# KiCad board k30p-VME.kicad_pcb (continued)
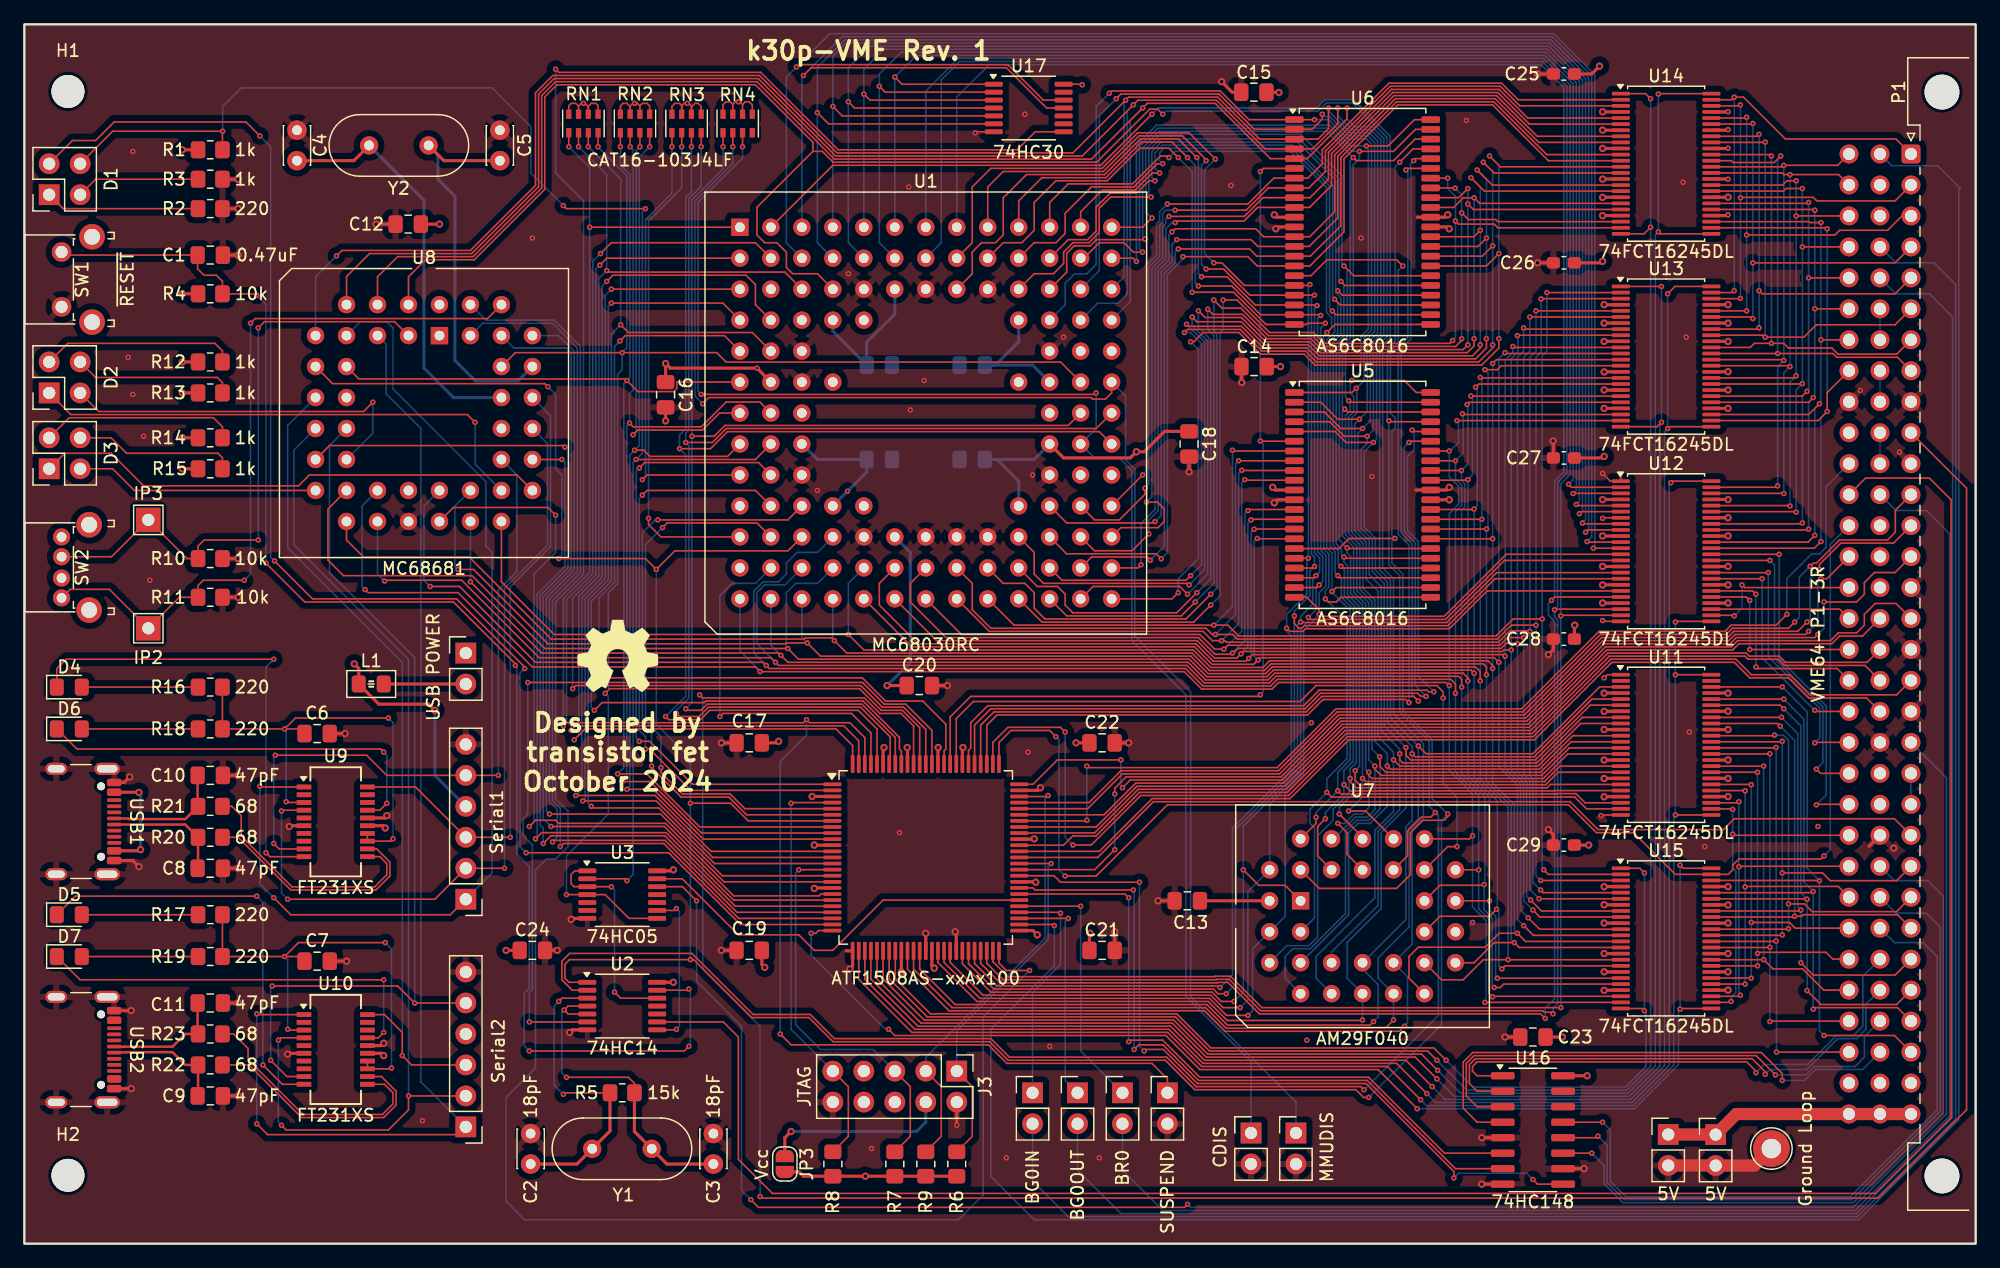
[diagram p0: board, top side]
## Footprints (pads in the part's own frame, mm; a bottom-side part is the same pattern mirrored in y, then rotated) (continued)
TSSOP-48_6.1x12.5mm_P0.5mm
  rrect 1.475x0.3 smd: 1(-3.712,5.75) 2(-3.712,5.25) 3(-3.712,4.75) 4(-3.712,4.25) 5(-3.712,3.75) 6(-3.712,3.25) 7(-3.712,2.75) 8(-3.712,2.25) 9(-3.712,1.75) 10(-3.712,1.25) 11(-3.712,0.75) 12(-3.712,0.25) 13(-3.712,-0.25) 14(-3.712,-0.75) 15(-3.712,-1.25) 16(-3.712,-1.75) 17(-3.712,-2.25) 18(-3.712,-2.75) 19(-3.712,-3.25) 20(-3.712,-3.75) 21(-3.712,-4.25) 22(-3.712,-4.75) 23(-3.712,-5.25) 24(-3.712,-5.75) 25(3.712,-5.75) 26(3.712,-5.25) 27(3.712,-4.75) 28(3.712,-4.25) 29(3.712,-3.75) 30(3.712,-3.25) 31(3.712,-2.75) 32(3.712,-2.25) 33(3.712,-1.75) 34(3.712,-1.25) 35(3.712,-0.75) 36(3.712,-0.25) 37(3.712,0.25) 38(3.712,0.75) 39(3.712,1.25) 40(3.712,1.75) 41(3.712,2.25) 42(3.712,2.75) 43(3.712,3.25) 44(3.712,3.75) 45(3.712,4.25) 46(3.712,4.75) 47(3.712,5.25) 48(3.712,5.75)
USB_C_Receptacle_GCT_USB4105-xx-A_16P_TopMnt_Horizontal
  round 0.65 hole 0.65 unplated: (-2.89,2.605) (2.89,2.605)
  rrect 0.6x1.15 smd: A1(-3.2,3.68) A4(-2.4,3.68) A9(2.4,3.68) A12(3.2,3.68) B1(3.2,3.68) B4(2.4,3.68) B9(-2.4,3.68) B12(-3.2,3.68)
  rrect 0.3x1.15 smd: A5(-1.25,3.68) A6(-0.25,3.68) A7(0.25,3.68) A8(1.25,3.68) B5(1.75,3.68) B6(0.75,3.68) B7(-0.75,3.68) B8(-1.75,3.68)
  oval 1x2.1 hole 0.6x1.7: S1(-4.32,3.105) S1(4.32,3.105)
  oval 1x1.8 hole 0.6x1.4: S1(-4.32,-1.075) S1(4.32,-1.075)

## Nets
+5V: C12.1 C13.1 C14.1 C15.1 C16.1 C17.1 C18.1 C19.1 C20.1 C21.1 C22.1 C23.1 C24.1 C25.1 C26.1 C27.1 C28.1 C29.1 C30.1 C31.1 C32.1 C33.1 J1.1 J2.1 JP3.2 JP4.1 P1.a32 P1.b32 P1.c32 R1.2 R4.1 R6.1 R7.1 R8.1 R9.1 R12.2 R13.2 R14.2 R15.2 RN1.5 RN1.6 RN1.7 RN1.8 RN2.5 RN2.6 RN2.7 RN2.8 RN3.5 RN3.6 RN3.7 RN3.8 RN4.5 RN4.6 RN4.7 RN4.8 SW2.2 SW2.4 U1.C6 U1.D4 U1.D10 U1.F2 U1.F11 U1.H3 U1.H11 U1.K4 U1.K10 U1.L6 U2.14 U3.14 U4.3 U4.18 U4.34 U4.39 U4.51 U4.66 U4.82 U4.91 U5.11 U5.33 U6.11 U6.33 U7.32 U8.44 U9.15 U10.15 U11.7 U11.18 U11.31 U11.42 U12.7 U12.18 U12.31 U12.42 U13.7 U13.18 U13.31 U13.42 U14.7 U14.18 U14.31 U14.42 U15.7 U15.18 U15.31 U15.42 U16.16 U17.14
GND: C1.2 C2.2 C3.2 C4.1 C5.1 C6.2 C7.2 C8.2 C9.2 C10.2 C11.2 C12.2 C13.2 C14.2 C15.2 C16.2 C17.2 C18.2 C19.2 C20.2 C21.2 C22.2 C23.2 C24.2 C25.2 C26.2 C27.2 C28.2 C29.2 C30.2 C31.2 C32.2 C33.2 J1.2 J2.2 J3.2 J3.10 J4.6 J5.6 JP1.2 JP2.2 JP8.2 P1.a9 P1.a11 P1.a15 P1.a17 P1.a19 P1.b20 P1.b23 P1.c9 R2.1 R3.1 R10.2 R11.2 SW1.1 TP1.1 U1.C5 U1.C7 U1.C9 U1.E3 U1.E11 U1.F3 U1.G3 U1.G11 U1.J3 U1.J11 U1.L5 U1.L7 U1.L8 U1.L9 U2.7 U3.7 U4.11 U4.26 U4.38 U4.43 U4.59 U4.74 U4.86 U4.95 U5.12 U5.34 U6.12 U6.34 U7.16 U8.22 U9.6 U9.16 U10.6 U10.16 U11.1 U11.4 U11.10 U11.15 U11.21 U11.24 U11.28 U11.34 U11.39 U11.45 U12.1 U12.4 U12.10 U12.15 U12.21 U12.24 U12.28 U12.34 U12.39 U12.45 U13.4 U13.10 U13.15 U13.21 U13.28 U13.34 U13.39 U13.45 U14.4 U14.10 U14.15 U14.21 U14.28 U14.34 U14.39 U14.45 U15.4 U15.10 U15.15 U15.21 U15.28 U15.34 U15.39 U15.45 U16.5 U16.8 U16.10 U17.7 USB1.A1 USB1.A12 USB1.B1 USB1.B12 USB1.S1 USB2.A1 USB2.A12 USB2.B1 USB2.B12 USB2.S1
CPU_CLK: U1.E1 U4.85
D16X_DIR: U4.30 U13.1 U13.24
DL_DIR: U4.32 U14.1 U14.24
FC0: U1.D2 U4.12
FC1: U1.C1 U4.13
FC2: U1.D1 U4.14
IP4: U4.22 U8.43
IP5: U4.23 U8.42
LA0: U1.A2 U4.35 U7.12
LA1: U1.C4 U4.36 U7.11 U8.2 U11.3
LA2: U1.D13 U4.37 U5.5 U6.5 U7.10 U8.4 U11.5
LA3: U1.D12 U4.40 U5.4 U6.4 U7.9 U8.6 U11.6
LA4: U1.C13 U5.3 U6.3 U7.8 U8.7 U11.8
LA5: U1.C12 U5.2 U6.2 U7.7 U11.9
LA6: U1.D11 U5.1 U6.1 U7.6 U11.11
LA7: U1.B13 U5.44 U6.44 U7.5 U11.12
LA8: U1.B12 U5.43 U6.43 U7.27 U11.13
LA9: U1.C11 U5.42 U6.42 U7.26 U11.14
LA10: U1.A13 U5.28 U6.28 U7.23 U11.16
LA11: U1.C10 U5.27 U6.27 U7.25 U11.17
LA12: U1.B11 U5.26 U6.26 U7.4 U11.19
LA13: U1.A12 U5.25 U6.25 U7.28 U11.20
LA14: U1.B10 U5.24 U6.24 U7.29 U11.22
LA15: U1.A11 U5.23 U6.23 U7.3 U11.23
LA16: U1.B9 U4.41 U5.22 U6.22 U7.2 U12.13
LA17: U1.A10 U4.42 U5.21 U6.21 U7.30 U12.14
LA18: U1.C8 U4.44 U5.20 U6.20 U7.1 U12.16
LA19: U1.A9 U4.45 U5.19 U6.19 U12.17
LA20: U1.B8 U4.46 U5.18 U6.18 U12.19
LA21: U1.A8 U4.47 U12.20
LA22: U1.B7 U4.48 U12.22
LA23: U1.A7 U4.49 U12.23
LA24: U1.A6 U12.2 U17.1
LA25: U1.B6 U12.3 U17.2
LA26: U1.A5 U12.5 U17.3
LA27: U1.B5 U12.6 U17.4
LA28: U1.A4 U12.8 U17.5
LA29: U1.B4 U12.9 U17.6
LA30: U1.A3 U12.11 U17.11
LA31: U1.B3 U12.12 U17.12
LD0: U1.K13 U6.7 U14.2
LD1: U1.K12 U6.8 U14.3
LD2: U1.L13 U6.9 U14.5
LD3: U1.M13 U6.10 U14.6
LD4: U1.L12 U6.13 U14.8
LD5: U1.K11 U6.14 U14.9
LD6: U1.M12 U6.15 U14.11
LD7: U1.L11 U6.16 U14.12
LD8: U1.N13 U6.29 U14.13
LD9: U1.M11 U6.30 U14.14
LD10: U1.L10 U6.31 U14.16
LD11: U1.N12 U6.32 U14.17
LD12: U1.M10 U6.35 U14.19
LD13: U1.N11 U6.36 U14.20
LD14: U1.M9 U6.37 U14.22
LD15: U1.N10 U6.38 U14.23
LD16: U1.N9 U5.7 U13.2 U15.2
LD17: U1.M8 U5.8 U13.3 U15.3
LD18: U1.N8 U5.9 U13.5 U15.5
LD19: U1.N7 U5.10 U13.6 U15.6
LD20: U1.M7 U5.13 U13.8 U15.8
LD21: U1.N6 U5.14 U13.9 U15.9
LD22: U1.M6 U5.15 U13.11 U15.11
LD23: U1.N5 U5.16 U13.12 U15.12
LD24: U1.M5 U5.29 U7.13 U8.28 U13.13 U15.13
LD25: U1.N4 U5.30 U7.14 U8.18 U13.14 U15.14
LD26: U1.N3 U5.31 U7.15 U8.27 U13.16 U15.16
LD27: U1.M4 U5.32 U7.17 U8.19 U13.17 U15.17
LD28: U1.N2 U5.35 U7.18 U8.26 U13.19 U15.19
LD29: U1.M3 U5.36 U7.19 U8.20 U13.20 U15.20
LD30: U1.L4 U5.37 U7.20 U8.25 U13.22 U15.22
LD31: U1.N1 U5.38 U7.21 U8.21 U13.23 U15.23
MAIN_CLK: U2.6 U4.87
MD32X_DIR: U4.33 U15.1 U15.24
OP2: U4.20 U8.31
OP3: U4.21 U8.15
SIZ0: U1.L2 U4.5
SIZ1: U1.K3 U4.6
STATUSLED: D1.3 U4.24
TCK: J3.1 R6.2 U4.62
TDI: J3.9 R8.2 U4.4
TDO: J3.3 R9.2 U4.73
TMS: J3.5 R7.2 U4.15
UART1_CTS: J4.5 U8.32 U9.9
UART1_DTR: J4.1 U8.8 U9.1
UART1_RX: J4.2 U8.33 U9.4
UART1_TX: J4.3 U8.35 U9.20
UART2_CTS: J5.5 U8.14 U10.9
UART2_DTR: J5.1 U8.5 U10.1
UART2_RX: J5.2 U8.13 U10.4
UART2_TX: J5.3 U8.11 U10.20
USB1_5V: J4.4 L1.1 USB1.A4 USB1.A9 USB1.B4 USB1.B9
USB1_DN: C8.1 R20.1 USB1.A7
USB1_DP: C10.1 R21.1 USB1.A6
USB2_DN: C9.1 R22.1 USB2.A7
USB2_DP: C11.1 R23.1 USB2.A6
VA1: P1.a30 U11.46 U15.46
VA2: P1.a29 U11.44 U15.44
VA3: P1.a28 U11.43 U15.43
VA4: P1.a27 U11.41 U15.41
VA5: P1.a26 U11.40 U15.40
VA6: P1.a25 U11.38 U15.38
VA7: P1.a24 U11.37 U15.37
VA8: P1.c30 U11.36 U15.36
VA9: P1.c29 U11.35 U15.35
VA10: P1.c28 U11.33 U15.33
VA11: P1.c27 U11.32 U15.32
VA12: P1.c26 U11.30 U15.30
VA13: P1.c25 U11.29 U15.29
VA14: P1.c24 U11.27 U15.27
VA15: P1.c23 U11.26 U15.26
VA16: P1.c22 U12.36
VA17: P1.c21 U12.35
VA18: P1.c20 U12.33
VA19: P1.c19 U12.32
VA20: P1.c18 U12.30
VA21: P1.c17 U12.29
VA22: P1.c16 U12.27
VA23: P1.c15 U12.26
VAM0: P1.b16 U4.68
VAM1: P1.b17 U4.67
VAM2: P1.b18 U4.65
VAM3: P1.b19 U4.64
VAM4: P1.a23 U4.63
VAM5: P1.c14 U4.61
VD0: P1.a1 U13.47 U14.47
VD1: P1.a2 U13.46 U14.46
VD2: P1.a3 U13.44 U14.44
VD3: P1.a4 U13.43 U14.43
VD4: P1.a5 U13.41 U14.41
VD5: P1.a6 U13.40 U14.40
VD6: P1.a7 U13.38 U14.38
VD7: P1.a8 U13.37 U14.37
VD8: P1.c1 U12.47 U13.36 U14.36
VD9: P1.c2 U12.46 U13.35 U14.35
VD10: P1.c3 U12.44 U13.33 U14.33
VD11: P1.c4 U12.43 U13.32 U14.32
VD12: P1.c5 U12.41 U13.30 U14.30
VD13: P1.c6 U12.40 U13.29 U14.29
VD14: P1.c7 U12.38 U13.27 U14.27
VD15: P1.c8 U12.37 U13.26 U14.26
VSYSCLK: P1.a10 U4.90
~{A40X_OE}: U4.28 U12.48
~{AL_OE}: U4.27 U11.25 U11.48 U12.25
~{AS}: U1.J2 U4.1
~{AVEC}: RN1.3 U1.E2 U4.92
~{BERR}: RN2.4 U1.H1 U4.10
~{BGACK}: RN1.2 U1.C3 U4.100
~{BG}: U1.B2 U4.99
~{BR}: JP8.1 RN1.1 U1.A1 U4.98
~{CDIS}: JP1.1 RN4.3 U1.H12
~{D16X_OE}: U4.29 U13.25 U13.48
~{DL_OE}: U4.31 U14.25 U14.48
~{DS0}: U4.78 U6.39
~{DS1}: U4.79 U6.40
~{DS2}: U4.80 U5.39
~{DS3}: U4.81 U5.40
~{DSACK0}: RN2.1 U1.F1 U4.8 U8.10
~{DSACK1}: RN2.2 U1.G2 U4.9
~{DS}: U1.K2 U4.2
~{ECS}: U1.M2 U4.97
~{HALT}: D1.1 R1.1 U1.H2 U3.2
~{IOSEL}: U4.16 U8.39
~{IPL0}: RN3.3 U1.H13 U4.96
~{IPL1}: RN3.4 U1.G13 U4.94
~{IPL2}: RN4.1 U1.G12 U4.93
~{MD32X_OE}: U4.25 U15.25 U15.48
~{MMUDIS}: JP2.1 RN4.2 U1.F13
~{RAMSEL}: U4.84 U5.6 U6.6
~{RD}: U2.2 U5.41 U6.41 U7.24
~{RESET}: RN1.4 U1.F12 U3.4 U3.8 U4.89 U8.38
~{RMC}: U1.B1 U4.88
~{ROMSEL}: U4.83 U7.22
~{SIACK}: U4.19 U8.41
~{SIRQ}: U4.17 U8.24
~{VAS}: P1.a18 U4.77
~{VBBSY}: P1.b1 U4.52
~{VBERR}: P1.c11 U4.69
~{VBG0IN}: JP5.2 P1.b4
~{VBG0OUT}: JP6.2 P1.b5
~{VBGIN}: JP5.1 U4.54
~{VBGOUT}: JP6.1 U4.53
~{VBR0}: JP7.2 P1.b12
~{VBR}: JP7.1 U4.55
~{VDS0}: P1.a13 U4.71
~{VDS1}: P1.a12 U4.72
~{VDTACK}: P1.a16 U4.70
~{VIACK}: U3.13 U4.56
~{VIPL0}: U4.60 U16.9
~{VIPL1}: U4.58 U16.7
~{VIPL2}: U4.57 U16.6
~{VLWORD}: P1.c13 U4.76 U15.47
~{VSYSRESET}: P1.c12 U2.9
~{VWRITE}: P1.a14 U4.75
~{WR}: U1.L3 U2.1 U4.7 U5.17 U6.17 U7.31 U8.9
Net-(C1-Pad1): C1.1 R4.2 SW1.2 U2.13
Net-(C2-Pad1): C2.1 R5.2 U2.3 Y1.1
Net-(C3-Pad1): C3.1 R5.1 U2.4 U2.5 Y1.2
Net-(D1-K1): D1.2 R3.2
Net-(D1-K2): D1.4 R2.2
Net-(D2-A1): D2.1 R13.1
Net-(D2-A2): D2.3 R12.1
Net-(D2-K1): D2.2 U8.16
Net-(D2-K2): D2.4 U8.30
Net-(D3-A1): D3.1 R15.1
Net-(D3-A2): D3.3 R14.1
Net-(D3-K1): D3.2 U8.17
Net-(D3-K2): D3.4 U8.29
Net-(D4-A): D4.2 R16.2
Net-(D4-K): D4.1 U9.10
Net-(D5-A): D5.2 R17.2
Net-(D5-K): D5.1 U10.10
Net-(D6-A): D6.2 R18.2
Net-(D6-K): D6.1 U9.17
Net-(D7-A): D7.2 R19.2
Net-(D7-K): D7.1 U10.17
Net-(J3-Pin_4): J3.4 JP3.1
Net-(JP4-B): JP4.2 L1.2
Net-(P1A-~{IACKIN}): P1.a21 P1.a22
Net-(P1A-~{IACK}): P1.a20 U3.12
Net-(P1B-~{BG1IN}): P1.b6 P1.b7
Net-(P1B-~{BG2IN}): P1.b8 P1.b9
Net-(P1B-~{BG3IN}): P1.b10 P1.b11
Net-(P1B-~{IRQ1}): P1.b30 U16.4
Net-(P1B-~{IRQ2}): P1.b29 U16.3
Net-(P1B-~{IRQ3}): P1.b28 U16.2
Net-(P1B-~{IRQ4}): P1.b27 U16.1
Net-(P1B-~{IRQ5}): P1.b26 U16.13
Net-(P1B-~{IRQ6}): P1.b25 U16.12
Net-(P1B-~{IRQ7}): P1.b24 U16.11
Net-(RN2-R3.1): RN2.3 U1.G1
Net-(RN3-R1.1): RN3.1 U1.J1
Net-(RN3-R2.1): RN3.2 U1.L1
Net-(SW2A-C): R11.1 SW2.1 TP6.1 U8.40
Net-(SW2B-C): R10.1 SW2.3 TP5.1 U8.3
Net-(U2-Pad8): U2.8 U3.9
Net-(U2-Pad12): U2.12 U3.1 U3.3
Net-(U8-X1/CLK): C4.2 U8.36 Y2.2
Net-(U8-X2): C5.2 U8.37 Y2.1
Net-(U9-3V3OUT): C6.1 R16.1 R18.1 U9.3 U9.13 U9.14
Net-(U9-USBDM): R20.2 U9.12
Net-(U9-USBDP): R21.2 U9.11
Net-(U10-3V3OUT): C7.1 R17.1 R19.1 U10.3 U10.13 U10.14
Net-(U10-USBDM): R22.2 U10.12
Net-(U10-USBDP): R23.2 U10.11
Net-(U17-Pad8): U4.50 U17.8

Pads without a net: J3 6 7 8; J5 4; P1 a31 b2 b3 b13 b14 b15 b21 b22 b31 c10 c31; RN4 4; U1 C2 D3 D5 E12 E13 F4 F10 J12 J13 K1 K5 M1; U2 10 11; U3 5 6 10 11; U8 1 12 23 34; U9 2 5 7 8 18 19; U10 2 5 7 8 18 19; U11 2 47; U16 14 15; U17 9 10 13; USB1 A5 A8 B5 B6 B7 B8; USB2 A4 A5 A8 A9 B4 B5 B6 B7 B8 B9

## Via types
v1: diameter 0.45, hole 0.2, Top to Bottom, 668 vias
v2: diameter 0.6, hole 0.3, Top to Bottom, 155 vias

## Routing (per net, layer and track width the routed paths; a pad name or vN(x,y) marks a point on that pad's centre or on a via; arc(x,y) is an arc through that point)
+5V: length 316.3
  Top w0.127: 58.09,93.45 57.89,93.65 57.53,93.65 57.29,93.41 RN4.8 ; 58.09,93.45 58.29,93.65 v1(58.55,93.65) 58.67,93.65 58.89,93.43 ; 58.09,93.45 RN4.7 ; 45.44,93.29 45.21,93.52 44.83,93.52 44.64,93.33 RN1.8 ; 45.44,93.29 45.67,93.52 v1(45.85,93.52) 45.97,93.52 46.24,93.26 RN1.6 46.24,93.28 46.48,93.52 46.86,93.52 47.04,93.34 RN1.5 ; 45.44,93.29 RN1.7 ; v1(86.74,95.05) 86.7,95.09 U17.14 ; RN3.8 53.1,93.28 53.34,93.52 53.72,93.52 53.9,93.34 RN3.7 53.9,93.32 54.1,93.52 v1(54.36,93.52) 54.48,93.52 54.7,93.31 54.7,92.63 54.7,93.23 54.99,93.52 55.25,93.52 55.5,93.27 55.5,92.63 ; RN4.5 59.69,93.4 59.44,93.65 59.11,93.65 58.89,93.43 ; 50.47,93.32 50.27,93.52 v1(50.04,93.52) 49.9,93.52 49.67,93.3 RN2.7 49.67,93.26 49.4,93.52 49.09,93.52 48.87,93.31 RN2.8 ; 50.47,93.32 50.67,93.52 51.05,93.52 51.27,93.31 RN2.5 ; 50.47,93.32 RN2.6 ; RN4.6 58.89,93.43 ; U12.7 129.46,59.53 v1(129.41,59.49)
  Top w0.254: v2(64.6,36.67) U4.3 ; R14.2 v2(12.95,66.09) ; v2(102.36,62.03) 102.58,61.81 U5.11 ; v2(129.16,96.57) 128.52,95.94 C25.1 ; U15.7 129.55,27.78 v2(129.54,27.79) ; U14.42 139.66,91.32 v1(139.7,91.36) ; U9.15 29.4,34.28 v2(29.59,34.09) ; C23.1 v2(126.11,16.94) ; U15.31 139.69,22.28 v2(139.7,22.29) ; v2(139.7,70.01) 139.69,70 U13.31 ; C28.1 127.1,50.7 v2(127.13,50.72) ; U11.7 129.55,43.66 v2(129.54,43.65) ; R9.1 R6.1 ; R9.1 R7.1 v2(68.96,5.53) R8.1 63.88,5.53 63.53,5.88 JP3.2 ; R9.1 73.93,5.54 ; v2(129.54,64.57) 129.41,64.44 C27.1 ; U4.39 74.41,22.79 v2(74.61,22.59) ; v2(83.06,25.32) 82.71,25.67 U4.51 ; v2(129.54,22.29) 129.55,22.28 U15.18 ; 52.58,70.66 v2(52.58,72.19) 52.96,71.81 v1(60.07,71.81) U1.F2 ; C18.1 93.49,66.62 91.82,64.95 v2(91.19,64.95) 90.68,64.44 85.22,64.44 U1.H11 ; v2(72.39,40.69) 72.41,40.67 U4.91 ; U12.18 129.42,54.03 v2(129.41,54.03) ; C19.1 60.47,22.89 v2(60.71,22.66) ; v2(139.7,85.83) 139.69,85.82 U14.31 ; R4.1 v2(12.95,77.9) ; v2(139.7,54.03) 139.69,54.03 U12.31 ; v2(71.9,22.28) 71.91,22.29 U4.34 ; R13.2 v2(12.95,69.77) ; U14.18 129.42,85.82 v2(129.41,85.81) ; v2(102.49,84.38) 102.68,84.19 U6.11 ; U11.31 139.69,38.16 v2(139.7,38.15) ; v2(129.41,91.33) 129.42,91.32 U14.7 ; U13.18 129.55,70 v2(129.54,70.01) ; v2(139.7,27.78) 139.69,27.78 U15.42 ; U6.33 116.69,83.39 v2(116.84,83.24) ; v2(87.38,25.45) 87.33,25.41 C21.1 ; C17.1 61.72,41.07 v2(61.85,41.2) ; v2(70.74,45.77) C20.1 ; v2(129.41,80.57) 129.29,80.44 C26.1 ; C12.1 v2(34.04,83.62) ; U5.33 116.84,61.01 v2(116.84,61.01) ; C22.1 v2(86.23,41.07) ; U10.15 29.27,15.61 v2(29.46,15.42) ; U3.14 53.13,30.58 v2(53.21,30.66) ; R12.2 v2(12.95,72.31) ; C24.1 v2(39.5,24.05) ; v2(53.21,21.43) U2.14 ; v2(82.8,33.2) 82.78,33.17 U4.66 ; v2(139.7,59.53) U12.42 ; v2(139.7,75.5) 139.69,75.5 U13.42 ; U16.16 v2(128.14,13.77) ; U4.18 64.81,29.17 v2(64.77,29.13) ; v2(102.87,94.41) 102.84,94.44 C15.1 ; v2(76.96,40.69) 76.91,40.64 U4.82 ; U11.18 129.55,38.16 v2(129.54,38.15) ; U11.42 139.69,43.66 v2(139.7,43.67) ; C29.1 v2(128.27,32.69) ; R15.2 v2(12.95,63.55) ; R1.2 v2(12.95,89.71) ; U7.32 96.39,28.12 ; C14.1 v2(103,71.93) ; U13.7 129.55,75.5 v2(129.54,75.5)
  Top w1: P1.a32 P1.b32 P1.c32 140.37,10.63 J1.1 138.67,8.95 J2.1
  In1.Cu w0.254: v2(34.04,83.62) U8.44 ; 1.91,59.74 1.91,59.11 SW2.4 ; 73.91,60.5 U1.L6 70.1,59.23 67.56,59.23 U1.K4 66.17,60.63 66.17,63.17 U1.H3 62.48,66.85 62.48,69.39 U1.F2 62.48,71.93 62.48,73.84 63.12,74.47 65.02,74.47 U1.D4 67.56,77.01 70.1,77.01 U1.C6 73.91,75.74 U1.D10 81.53,73.2 U1.F11 83.11,69.7 83.11,66.55 U1.H11 81.53,63.04 U1.K10 73.91,60.5
  Bottom w0.254: U1.H11 82.8,64.31 79.76,64.31 ; U1.F11 82.68,72.06 C30.1 79.63,72.06 81.53,73.97 U1.D10 ; 79.76,64.31 81.53,62.53 U1.K10 ; 79.76,64.31 C32.1 ; U1.H3 65.02,64.31 C33.1 69.07,63.28 v1(67.5,61.71) U1.K4 ; U1.C6 71.37,76.25 69.07,73.94 C31.1 66.29,74.83 U1.D4 ; v2(70.74,45.77) 72.64,47.68 72.64,56.69 U1.L6
GND: length 305.3
  Top w0.127: v1(77.98,91.11) 78.06,91.19 U17.7 ; U12.24 129.48,51.03 v1(129.41,51.11) ; v1(129.54,46.41) 129.79,46.66 U11.1 ; U11.24 129.34,35.16 v1(129.29,35.1) ; v1(129.41,63.17) 130.05,62.53 U12.1 130.91,62.89
  Top w0.254: U11.39 139.69,42.16 v2(139.7,42.17) ; v2(74.93,40.69) 74.91,40.67 U4.86 ; v2(21.72,34.21) 21.78,34.28 U9.6 ; U16.5 v2(119.51,8.69) ; C1.2 v2(17.53,81.08) ; U15.21 129.55,20.78 v2(129.54,20.78) ; R3.1 v2(17.53,87.3) ; v2(139.7,45.15) 139.69,45.16 U11.45 ; U12.39 139.69,58.03 v2(139.7,58.04) ; U15.34 139.69,23.78 v2(139.7,23.79) ; U15.28 139.69,20.78 v2(139.7,20.79) ; U4.95 70.41,40.62 v2(70.48,40.69) ; 114.24,84.19 U6.34 116.52,84.19 v2(116.71,84.38) ; U14.10 129.42,89.82 v2(129.41,89.83) ; v2(139.7,29.28) 139.69,29.28 U15.45 ; U12.21 129.42,52.53 v2(129.41,52.54) ; v2(129.41,58.04) 129.42,58.03 U12.10 ; U15.10 129.55,26.28 v2(129.54,26.29) ; U4.11 64.79,32.67 v2(64.77,32.69) ; v2(129.41,61.03) 129.42,61.03 U12.4 ; U13.15 129.55,71.5 v2(129.54,71.5) ; C17.2 v2(57.15,41.07) ; C22.2 v2(90.55,41.07) ; U9.16 29.53,34.91 v2(29.72,35.1) ; U4.74 83.1,37.17 v2(83.31,37.39) ; v2(129.41,87.31) 129.42,87.32 U14.15 ; v2(139.7,36.67) 139.69,36.66 U11.28 ; v1(139.7,87.3) 139.68,87.32 U14.34 ; U4.43 76.41,25.49 v2(76.33,25.58) ; v2(129.54,42.17) 129.55,42.16 U11.10 ; U14.21 129.42,84.32 v2(129.41,84.31) ; C12.2 v2(28.83,83.62) ; U16.10 v2(127.89,6.15) ; U16.8 v2(119.51,4.88) ; U11.34 139.69,39.66 v2(139.7,39.67) ; v2(139.7,74) 139.69,74 U13.39 ; U10.6 21.65,15.61 v2(21.59,15.55) ; v2(139.7,68.5) 139.7,68.5 U13.28 ; P1.b23 151.26,32.59 ; C6.2 v2(26.29,41.83) ; v1(139.7,89.84) 139.68,89.82 U14.39 ; USB2.A12 v2(8.76,12.71) ; C27.2 125.38,65.81 v2(125.35,65.84) ; C28.2 125.38,48.72 v2(124.97,48.31) ; U14.4 129.42,92.82 v2(129.41,92.83) ; C11.2 v2(17.53,19.74) ; v2(129.54,39.67) 129.55,39.66 U11.15 ; C20.2 v2(75.69,45.77) ; 67.39,24.01 U4.26 67.91,22.75 v2(67.69,22.53) ; U12.28 139.69,52.53 v2(139.7,52.54) ; v2(98.17,95.3) 99.03,94.44 C15.2 ; v2(29.46,16.43) 29.27,16.24 U10.16 ; v2(9.4,30.91) 8.89,31.42 USB1.A12 ; v2(129.54,29.28) 129.55,29.28 U15.4 ; 114.08,61.81 U5.34 116.62,61.81 v2(116.84,62.03) ; C10.2 v2(17.53,38.41) ; C13.2 v2(92.96,28.12) ; C21.2 v2(89.41,25.58) ; U14.45 139.68,92.82 v1(139.7,92.84) ; v2(102.49,60.76) 102.74,61.01 U5.12 ; U13.4 129.55,77 v2(129.54,77.01) ; C26.2 v2(124.08,80.44) ; v2(139.7,26.29) 139.69,26.28 U15.39 ; U15.15 129.55,23.78 v2(129.54,23.79) ; R10.2 v2(17.53,56.19) ; v2(124.97,33.96) 125.38,33.55 C29.2 ; v2(129.54,68.5) 129.54,68.5 U13.21 ; C9.2 v2(17.53,12.12) ; C19.2 v2(57.15,24.05) ; U11.4 129.55,45.16 v2(129.54,45.15) ; C7.2 v2(26.42,23.17) ; v2(44.7,17.32) 44.91,17.53 U2.7 ; U6.12 102.77,83.39 v2(102.62,83.24) ; R11.2 v2(17.53,53.01) ; U12.15 129.42,55.53 v2(129.41,55.54) ; v2(82.93,29.64) 82.9,29.67 U4.59 ; USB1.A1 8.18,37.82 v2(8.64,38.28) ; USB2.A1 v2(8.75,19.11) ; U14.28 139.64,84.32 v1(139.7,84.38) ; 99.8,71.91 99.8,70.65 v2(99.82,70.63) ; C24.2 v2(43.69,24.05) ; U3.7 44.91,26.68 v2(44.83,26.59) ; v1(76.45,9.7) J3.2 ; C8.2 v2(17.53,30.78) ; v2(139.7,71.51) 139.69,71.5 U13.34 ; R2.1 v2(17.53,84.89) ; v2(129.54,74) 129.55,74 U13.10 ; C25.2 v2(124.08,95.94) ; U12.34 139.69,55.53 v2(139.7,55.54) ; v2(139.7,77.01) 139.69,77 U13.45 ; U11.21 129.55,36.66 v2(129.54,36.65) ; U4.38 v2(73.91,25.45) ; v2(52.58,67.49) C16.2 ; C18.2 v2(95.5,63.3) ; v2(139.7,61.03) 139.69,61.03 U12.45 ; C23.2 v2(121.41,16.94)
  Top w1: J2.2 138.67,6.41 J1.2 141.86,6.4 TP1.1
  In2.Cu w0.254: U1.C7 72.26,76.63 70.48,76.63 U1.C5 ; U1.C7 75.56,76.63 77.34,76.63 U1.C9 78.99,74.35 80.14,73.2 U1.E11 85.34,71.93 85.34,69.39 U1.G11 85.34,66.85 85.34,64.31 U1.J11 v1(82.68,63.04) 81.03,63.04 78.99,61.01 U1.L9 U1.L8 U1.L7 72.39,59.49 70.36,59.49 U1.L5 67.56,59.23 65.79,59.23 65.02,60 v1(65.02,61.77) U1.J3 65.28,64.57 65.28,66.6 U1.G3 ; U1.C7 73.91,75.36 71.75,73.2 U1.E3 U1.F3 U1.G3 ; U1.G3 62.48,69.39 57.53,69.39 55.63,67.49 v2(52.58,67.49) ; P1.b23 153.42,34.75 153.42,39.85 P1.b20 P1.a19 153.42,44.93 153.42,47.45 P1.a17 153.42,50.01 153.42,52.53 P1.a15 153.42,55.09 153.42,62.69 P1.a11 v1(153.76,64.91) 153.42,65.25 153.42,67.77 P1.a9 153.47,70.28 150.85,70.28 v1(150.55,69.98) P1.c9
  vias: v1(8.51,72.69) v1(8.89,89.59) v1(8.89,69.65) v1(9.78,66.22) v1(10.29,54.41) v1(32.64,10.08) v1(41.66,82.47) v1(67.56,79.55) v1(69.47,7.8) v1(71.75,33.71) v1(72.52,86.66) v1(72.64,68.38) v1(73.79,70.79) v1(80.52,7.04) v1(82.04,92.63) v1(82.3,40.31) v1(84.07,16.18) v1(85.22,74.35) v1(88.14,7.04) v1(98.93,86.79) v1(105.16,16.69) v1(105.54,42.72) v1(109.6,82.47) v1(110.49,62.92) v1(118.24,92.13) v1(118.74,26.34) v1(136.02,87.05) v1(136.27,74.35) v1(136.52,41.96) v1(137.8,32.56) v1(147.07,34.21) v2(153.29,32.44)
CPU_CLK: length 71.9
  Top w0.127: v1(47.24,46.79) 47.62,46.41 68.71,46.41 70.61,44.5 73.66,44.5 75.56,42.6 75.56,40.56 75.41,40.41 U4.85 ; v1(48.83,74.03) 49.28,74.47 57.4,74.47 U1.E1
  Bottom w0.127: v1(48.83,74.03) 48.39,73.58 48.39,54.23 47.12,52.96 47.12,46.91 v1(47.24,46.79)
D16X_DIR: length 142.3
  Top w0.127: v1(134.24,78.5) U13.1 ; U4.30 69.91,21.7 73.53,18.08 94.13,18.08 96.92,15.29 114.05,15.29 v1(115.82,13.51) ; U13.24 133.88,67 v1(134.24,67.36)
  Bottom w0.127: v1(134.24,78.5) v1(134.24,67.36) 134.11,67.23 134.11,14.59 131.6,12.08 117.26,12.08 v1(115.82,13.51)
DL_DIR: length 154
  Top w0.127: v1(115.82,15.04) 115.06,15.8 97.18,15.8 94.38,18.59 74.04,18.59 70.91,21.72 U4.32 ; U14.1 132.93,94.32 v1(133.35,93.9) ; v1(133.35,83.36) 132.81,82.82 U14.24
  Bottom w0.127: v1(133.35,93.9) v1(133.35,83.36) 133.35,14.55 131.39,12.59 118.27,12.59 v1(115.82,15.04)
FC0: length 82.3
  Top w0.127: U1.D2 59.94,77.01 59.94,78.66 59.18,79.43 48.26,79.43 v1(47.75,78.92) ; U4.12 56.31,32.17 51.73,36.75 v1(45.21,36.75)
  Bottom w0.127: v1(45.21,36.75) 45.72,37.26 45.72,53 47.37,54.65 47.37,78.54 v1(47.75,78.92)
FC1: length 75.9
  Top w0.127: v1(45.78,36.31) 51.81,36.31 56.45,31.67 U4.13 ; v1(48.13,78.28) U1.C1
  Bottom w0.127: v1(45.78,36.31) 45.97,36.5 45.97,52.89 47.62,54.54 47.62,77.78 v1(48.13,78.28)
FC2: length 75
  Top w0.127: v1(48.13,77.14) 57.28,77.14 U1.D1 ; v1(46.48,35.86) 46.61,35.74 52.02,35.74 56.59,31.17 U4.14
  Bottom w0.127: v1(48.13,77.14) 47.88,76.89 47.88,54.44 46.23,52.79 46.23,36.12 v1(46.48,35.86)
IP4: length 77.3
  Top w0.127: U4.22 58.43,27.17 52.53,33.07 43.43,33.07 v1(43.31,32.94)
  Bottom w0.127: v1(43.31,32.94) 43.69,33.33 43.69,35.61 43.05,36.25 43.05,52.84 45.34,55.13 45.34,73.46 43.31,75.49 37.59,75.49 U8.43
IP5: length 77.6
  Top w0.127: U4.23 58.57,26.67 52.43,32.82 44.2,32.82 v1(43.94,32.56)
  Bottom w0.127: v1(43.94,32.56) 43.94,35.72 43.31,36.35 43.31,52.74 45.59,55.02 45.59,73.58 43.43,75.74 37.85,75.74 U8.42
LA0: length 177.1
  Top w0.127: v1(113.17,17.83) 112.75,17.41 98.44,17.41 96.75,19.1 75.82,19.1 72.41,22.51 U4.35 ; v1(92.46,92.63) 88.27,88.44 66.29,88.44 U1.A2
  Bottom w0.127: v1(113.17,17.83) 113.41,18.07 113.41,21.89 U7.12 113.79,24.56 113.79,33.98 114.72,34.91 114.72,40.99 112.27,43.44 112.27,54.53 111.38,55.42 111.38,73.68 111.99,74.29 111.99,90.83 109.01,93.81 106.66,93.81 105.98,93.14 92.96,93.14 v1(92.46,92.63)
LA1: length 255.8
  Top w0.127: v1(114.3,40.82) 114.93,40.18 123.7,40.18 129.18,45.66 U11.3 ; 64.66,89.59 64.66,90.34 59.94,95.05 43.67,95.05 42.67,94.05 42.67,86.48 36.89,80.7 32.89,80.7 31.5,79.3 U8.2 ; 64.66,89.59 65.43,89.59 66.32,88.7 87.93,88.7 92.28,93.05 92.93,93.05 v1(93.35,92.63) ; 64.66,89.59 60.07,85 60.07,82.73 60.71,82.09 61.7,82.09 62.48,81.31 62.48,80.06 62.99,79.55 65.02,79.55 U1.C4 ; v1(112.27,18.34) 111.6,17.67 98.55,17.67 96.86,19.36 76.07,19.36 72.91,22.51 U4.36
  Bottom w0.127: v1(112.27,18.34) U7.11 111,21.77 111,23.42 113.54,25.96 113.54,34.09 114.3,34.85 v1(114.3,40.82) 112.01,43.1 112.01,54.39 111.13,55.27 111.13,73.78 111.73,74.39 111.73,90.73 108.9,93.56 106.76,93.56 106.09,92.89 93.6,92.89 v1(93.35,92.63)
LA2: length 268.4
  Top w0.127: v1(110.63,18.21) 110.34,17.92 98.65,17.92 96.96,19.61 76.33,19.61 73.41,22.52 U4.37 ; U5.5 107.47,66.61 108.37,65.71 v1(110.62,65.71) ; v1(108.46,93.14) 108.46,92.25 105.19,88.99 U6.5 102.18,88.99 97.64,93.52 92.08,93.52 v1(91.69,93.14) 87.5,88.95 66.42,88.95 60.07,95.3 43.56,95.3 42.42,94.16 42.42,86.58 36.79,80.95 30.61,80.95 28.96,79.3 U8.4 ; v1(113.79,40.18) 114.05,39.93 123.8,39.93 128.53,44.66 U11.5
  Bottom w0.127: v1(108.46,93.14) 108.46,92.25 109.09,91.62 110.49,91.62 111.48,90.62 111.48,74.5 110.87,73.89 110.87,65.96 v1(110.62,65.71) 109.86,64.95 109.86,58.78 110.78,57.86 110.78,55.26 111.76,54.28 111.76,42.81 113.79,40.77 v1(113.79,40.18) 113.79,34.7 113.28,34.19 113.28,26.59 U7.10 109.73,22.53 111,21.26 111,18.58 v1(110.63,18.21) ; v1(91.69,93.14) 90.68,92.13 90.68,77.27 U1.D13
LA3: length 269.9
  Top w0.127: U5.4 107.03,67.41 108.23,66.22 v1(110.11,66.22) ; U8.6 26.42,79.32 28.3,81.2 36.68,81.2 42.16,86.69 42.16,94.28 43.43,95.56 60.18,95.56 66.53,89.2 86.74,89.2 v1(90.93,93.4) 91.31,93.78 97.75,93.78 101.74,89.79 U6.4 105.63,89.79 107.7,91.85 v1(107.7,93.14) ; U4.40 74.91,23.05 78.11,19.86 97.07,19.86 98.63,18.3 109.69,18.3 v1(109.73,18.34) ; U11.6 128.39,44.16 123.91,39.67 113.67,39.67 113.28,40.06 v1(113.28,40.69)
  Bottom w0.127: v1(90.93,93.4) 90.42,92.89 90.42,77.89 89.66,77.13 88,77.13 U1.D12 ; v1(109.73,18.34) U7.9 108.46,21.77 108.46,24.69 111.25,27.48 111.25,33.71 113.28,35.74 v1(113.28,40.69) 111.51,42.47 111.51,54.15 110.53,55.13 110.53,57.75 109.6,58.68 109.6,65.12 110.11,65.63 v1(110.11,66.22) 110.62,66.73 110.62,74 111.23,74.6 111.23,90.52 110.38,91.36 108.84,91.36 107.7,92.5 v1(107.7,93.14)
LA4: length 226.7
  Top w0.127: U11.8 127.75,43.16 124.01,39.42 113.03,39.42 112.78,39.67 v1(112.78,40.18) ; v1(106.93,93.14) 106.93,91.45 106.07,90.59 U6.3 101.29,90.59 97.85,94.03 90.55,94.03 v1(90.3,93.78) 85.98,89.46 66.63,89.46 60.28,95.81 43.33,95.81 41.91,94.39 41.91,86.79 36.58,81.46 26.04,81.46 v1(25.59,81.01) ; U5.3 106.59,68.21 107.95,66.85 v1(109.73,66.85)
  Bottom w0.127: U8.7 23.88,79.3 v1(25.59,81.01) ; v1(90.3,93.78) 90.17,93.65 90.17,79.29 89.17,78.28 U1.C13 ; U7.8 107.19,23.93 111,27.74 111,33.81 112.78,35.59 v1(112.78,40.18) 112.78,40.56 111.25,42.09 111.25,53.9 110.27,54.88 110.27,57.65 109.35,58.57 109.35,66.47 v1(109.73,66.85) 110.36,67.49 110.36,74.1 110.97,74.71 110.97,90.41 110.27,91.11 108.73,91.11 106.93,92.91 v1(106.93,93.14)
LA5: length 142.2
  Top w0.127: U5.2 106.3,69.01 107.7,67.61 v1(109.47,67.61) ; v1(89.53,93.9) 89.92,94.28 97.96,94.28 100.85,91.39 U6.2 105.58,91.39 106.43,92.23 v1(106.43,92.63) ; v1(112.27,39.67) 112.78,39.17 124.12,39.17 127.61,42.66 U11.9
  Bottom w0.127: v1(89.53,93.9) 88.14,92.51 88.14,79.81 U1.C12 ; U7.7 105.92,21.77 105.92,23.55 110.74,28.37 110.74,33.92 112.27,35.44 v1(112.27,39.67) 112.27,40.31 111,41.58 111,53.52 110.02,54.5 110.02,57.54 109.09,58.47 109.09,67.23 v1(109.47,67.61) 110.11,68.25 110.11,74.21 110.72,74.81 110.72,90.31 110.17,90.86 108.62,90.86 107.04,92.44 106.62,92.44 v1(106.43,92.63)
LA6: length 142.8
  Top w0.127: v1(88.96,94.35) 89.15,94.54 98.06,94.54 100.41,92.19 U6.1 v1(105.79,92.19) ; v1(111.76,39.17) 112.01,38.91 124.22,38.91 126.97,41.66 U11.11 ; U5.1 108.88,69.81 v1(109.22,70.16)
  Bottom w0.127: v1(105.79,92.19) 106.93,92.19 108.52,90.6 110.06,90.6 110.46,90.2 110.46,74.92 109.86,74.31 109.86,70.79 v1(109.22,70.16) 109.26,70.12 109.26,68.12 108.84,67.7 108.84,58.36 109.76,57.44 109.76,53.76 110.74,52.78 110.74,41.2 111.76,40.18 v1(111.76,39.17) 111.76,35.86 110.36,34.47 109.35,34.47 108.58,33.71 108.58,26.97 U7.6 ; v1(88.96,94.35) 87.88,93.27 87.88,80.3 87.12,79.54 86.11,79.54 85.34,78.78 85.34,77.01 U1.D11
LA7: length 143.8
  Top w0.127: U11.12 126.83,41.16 124.33,38.66 111.63,38.66 111.16,39.13 111.16,39.89 v1(111.13,39.93) ; U5.44 114.14,69.81 113.16,70.79 v1(108.84,70.79) ; 89.41,80.82 U1.B13 90.92,80.82 v1(91.19,80.56) ; v1(110.05,90.03) 111.82,90.03 113.98,92.19 U6.44
  Bottom w0.127: v1(91.19,80.56) 91.19,90.09 92.84,91.75 107.02,91.75 108.73,90.03 v1(110.05,90.03) 110.21,89.87 110.21,75.02 109.6,74.42 109.6,71.55 v1(108.84,70.79) 108.71,70.66 108.71,69.77 109,69.48 109,68.23 108.58,67.81 108.58,58.26 109.51,57.33 109.51,53.65 110.49,52.67 110.49,40.56 v1(111.13,39.93) 111.16,39.89 111.16,35.65 110.24,34.72 109.24,34.72 108.33,33.81 108.33,27.08 105.43,24.18 104.01,24.18 103.38,23.55 103.38,21.77 U7.5
LA8: length 129.4
  Top w0.127: v1(91.69,81.32) 90.94,81.32 90.17,82.09 88.14,82.09 86.87,80.82 U1.B12 ; U6.43 114.07,91.39 112.27,89.59 v1(109.47,89.59) ; v1(108.58,69.14) 108.71,69.01 U5.43 ; U11.13 126.69,40.66 124.43,38.41 111.25,38.41 110.74,38.91 v1(110.74,39.17)
  Bottom w0.127: v1(91.69,81.32) 91.44,81.57 91.44,89.99 92.94,91.49 106.91,91.49 108.82,89.59 v1(109.47,89.59) 109.47,89 108.97,88.49 108.97,74.14 108.33,73.51 108.33,69.39 v1(108.58,69.14) 108.71,69.01 108.71,68.29 108.33,67.91 108.33,58.15 109.26,57.23 109.26,53.55 110.24,52.57 110.24,39.67 v1(110.74,39.17) 110.74,35.61 110.11,34.98 109.14,34.98 107.36,33.2 U7.27
LA9: length 135.4
  Top w0.127: U11.14 126.55,40.16 124.54,38.15 110.49,38.15 110.24,38.41 v1(110.24,38.66) ; v1(91.88,82.4) 91.83,82.35 87.91,82.35 87.4,81.84 86.08,81.84 85.47,81.23 85.47,79.68 U1.C11 ; U6.42 114.03,90.59 112.27,88.82 109.22,88.82 v1(108.97,89.08) ; v1(107.7,34.47) 108.46,33.71 108.46,31.93 U7.26 ; U5.42 108.5,68.21 v1(108.27,68.44)
  Bottom w0.127: v1(107.7,34.47) 108.27,34.47 109.03,35.23 109.73,35.23 110.24,35.74 v1(110.24,38.66) 109.98,38.91 109.98,52.46 109,53.44 109,57.12 108.08,58.05 108.08,68.25 v1(108.27,68.44) 108.08,68.63 108.08,73.61 108.71,74.25 108.71,88.82 v1(108.97,89.08) 106.81,91.24 93.05,91.24 91.69,89.88 91.69,82.59 v1(91.88,82.4)
LA10: length 122
  Top w0.127: U7.23 109.98,35.48 v1(108.58,35.48) ; v1(109.73,38.15) 109.98,37.9 124.64,37.9 125.91,39.16 U11.16 ; v1(92.46,84.12) 91.69,83.36 U1.A13 ; v1(108.46,57.07) 108.52,57.01 U5.28 ; v1(108.2,80.19) 109,79.39 U6.28
  Bottom w0.127: v1(108.58,35.48) 109.73,36.63 109.73,52.36 108.75,53.34 108.75,56.36 108.46,56.65 v1(108.46,57.07) 107.82,57.71 107.82,73.72 108.46,74.35 108.46,79.93 v1(108.2,80.19) 108.04,80.35 108.04,87.59 104.65,90.98 93.15,90.98 91.95,89.78 91.95,84.63 v1(92.46,84.12)
LA11: length 131.6
  Top w0.127: v1(107.82,35.23) 109.73,33.33 U7.25 ; v1(107.95,78.92) 108.28,78.59 U6.27 ; U1.C10 82.8,79.55 84.39,79.55 85.22,80.38 85.22,81.33 85.98,82.09 87.29,82.09 88.14,82.94 88.14,84.91 89.07,85.84 v1(92.39,85.84) ; v1(109.13,38.79) 109.13,37.99 109.47,37.64 124.75,37.64 125.77,38.66 U11.17 ; U5.27 108.31,56.21 v1(108.2,56.31)
  Bottom w0.127: v1(107.82,35.23) 107.82,35.78 109.13,37.09 v1(109.13,38.79) 109.47,39.13 109.47,52.25 108.49,53.23 108.49,55.6 108.2,55.89 v1(108.2,56.31) 107.99,56.53 107.99,56.97 107.57,57.39 107.57,73.82 108.2,74.46 108.2,78.66 v1(107.95,78.92) 107.79,79.08 107.79,87.34 104.52,90.6 93.13,90.6 92.2,89.67 92.2,86.03 v1(92.39,85.84)
LA12: length 139.1
  Top w0.127: U5.26 108.09,55.41 v1(107.95,55.55) ; U1.B11 85.6,82.35 87.19,82.35 87.88,83.04 87.88,85.01 89.03,86.16 91.19,86.16 92.2,87.17 v1(92.71,87.17) ; U6.26 108.06,77.79 v1(107.7,78.16) ; U11.19 125.13,37.66 124.86,37.39 109.22,37.39 108.71,37.9 v1(108.71,38.15)
  Bottom w0.127: U7.4 103.51,24.44 105.33,24.44 106.05,25.15 106.05,33.45 107.32,34.72 107.32,35.63 108.62,36.94 108.62,37.82 108.71,37.91 108.71,38.96 109.22,39.47 109.22,52.15 108.24,53.13 108.24,55.26 v1(107.95,55.55) 107.73,55.77 107.73,56.87 107.32,57.28 107.32,73.93 107.95,74.56 107.95,77.58 107.53,77.99 v1(107.7,78.16) 107.53,78.32 107.53,87.23 104.42,90.35 93.24,90.35 92.46,89.57 92.46,87.43 v1(92.71,87.17)
